# KiCad board panel.opm-inline.kicad_pcb (continued)
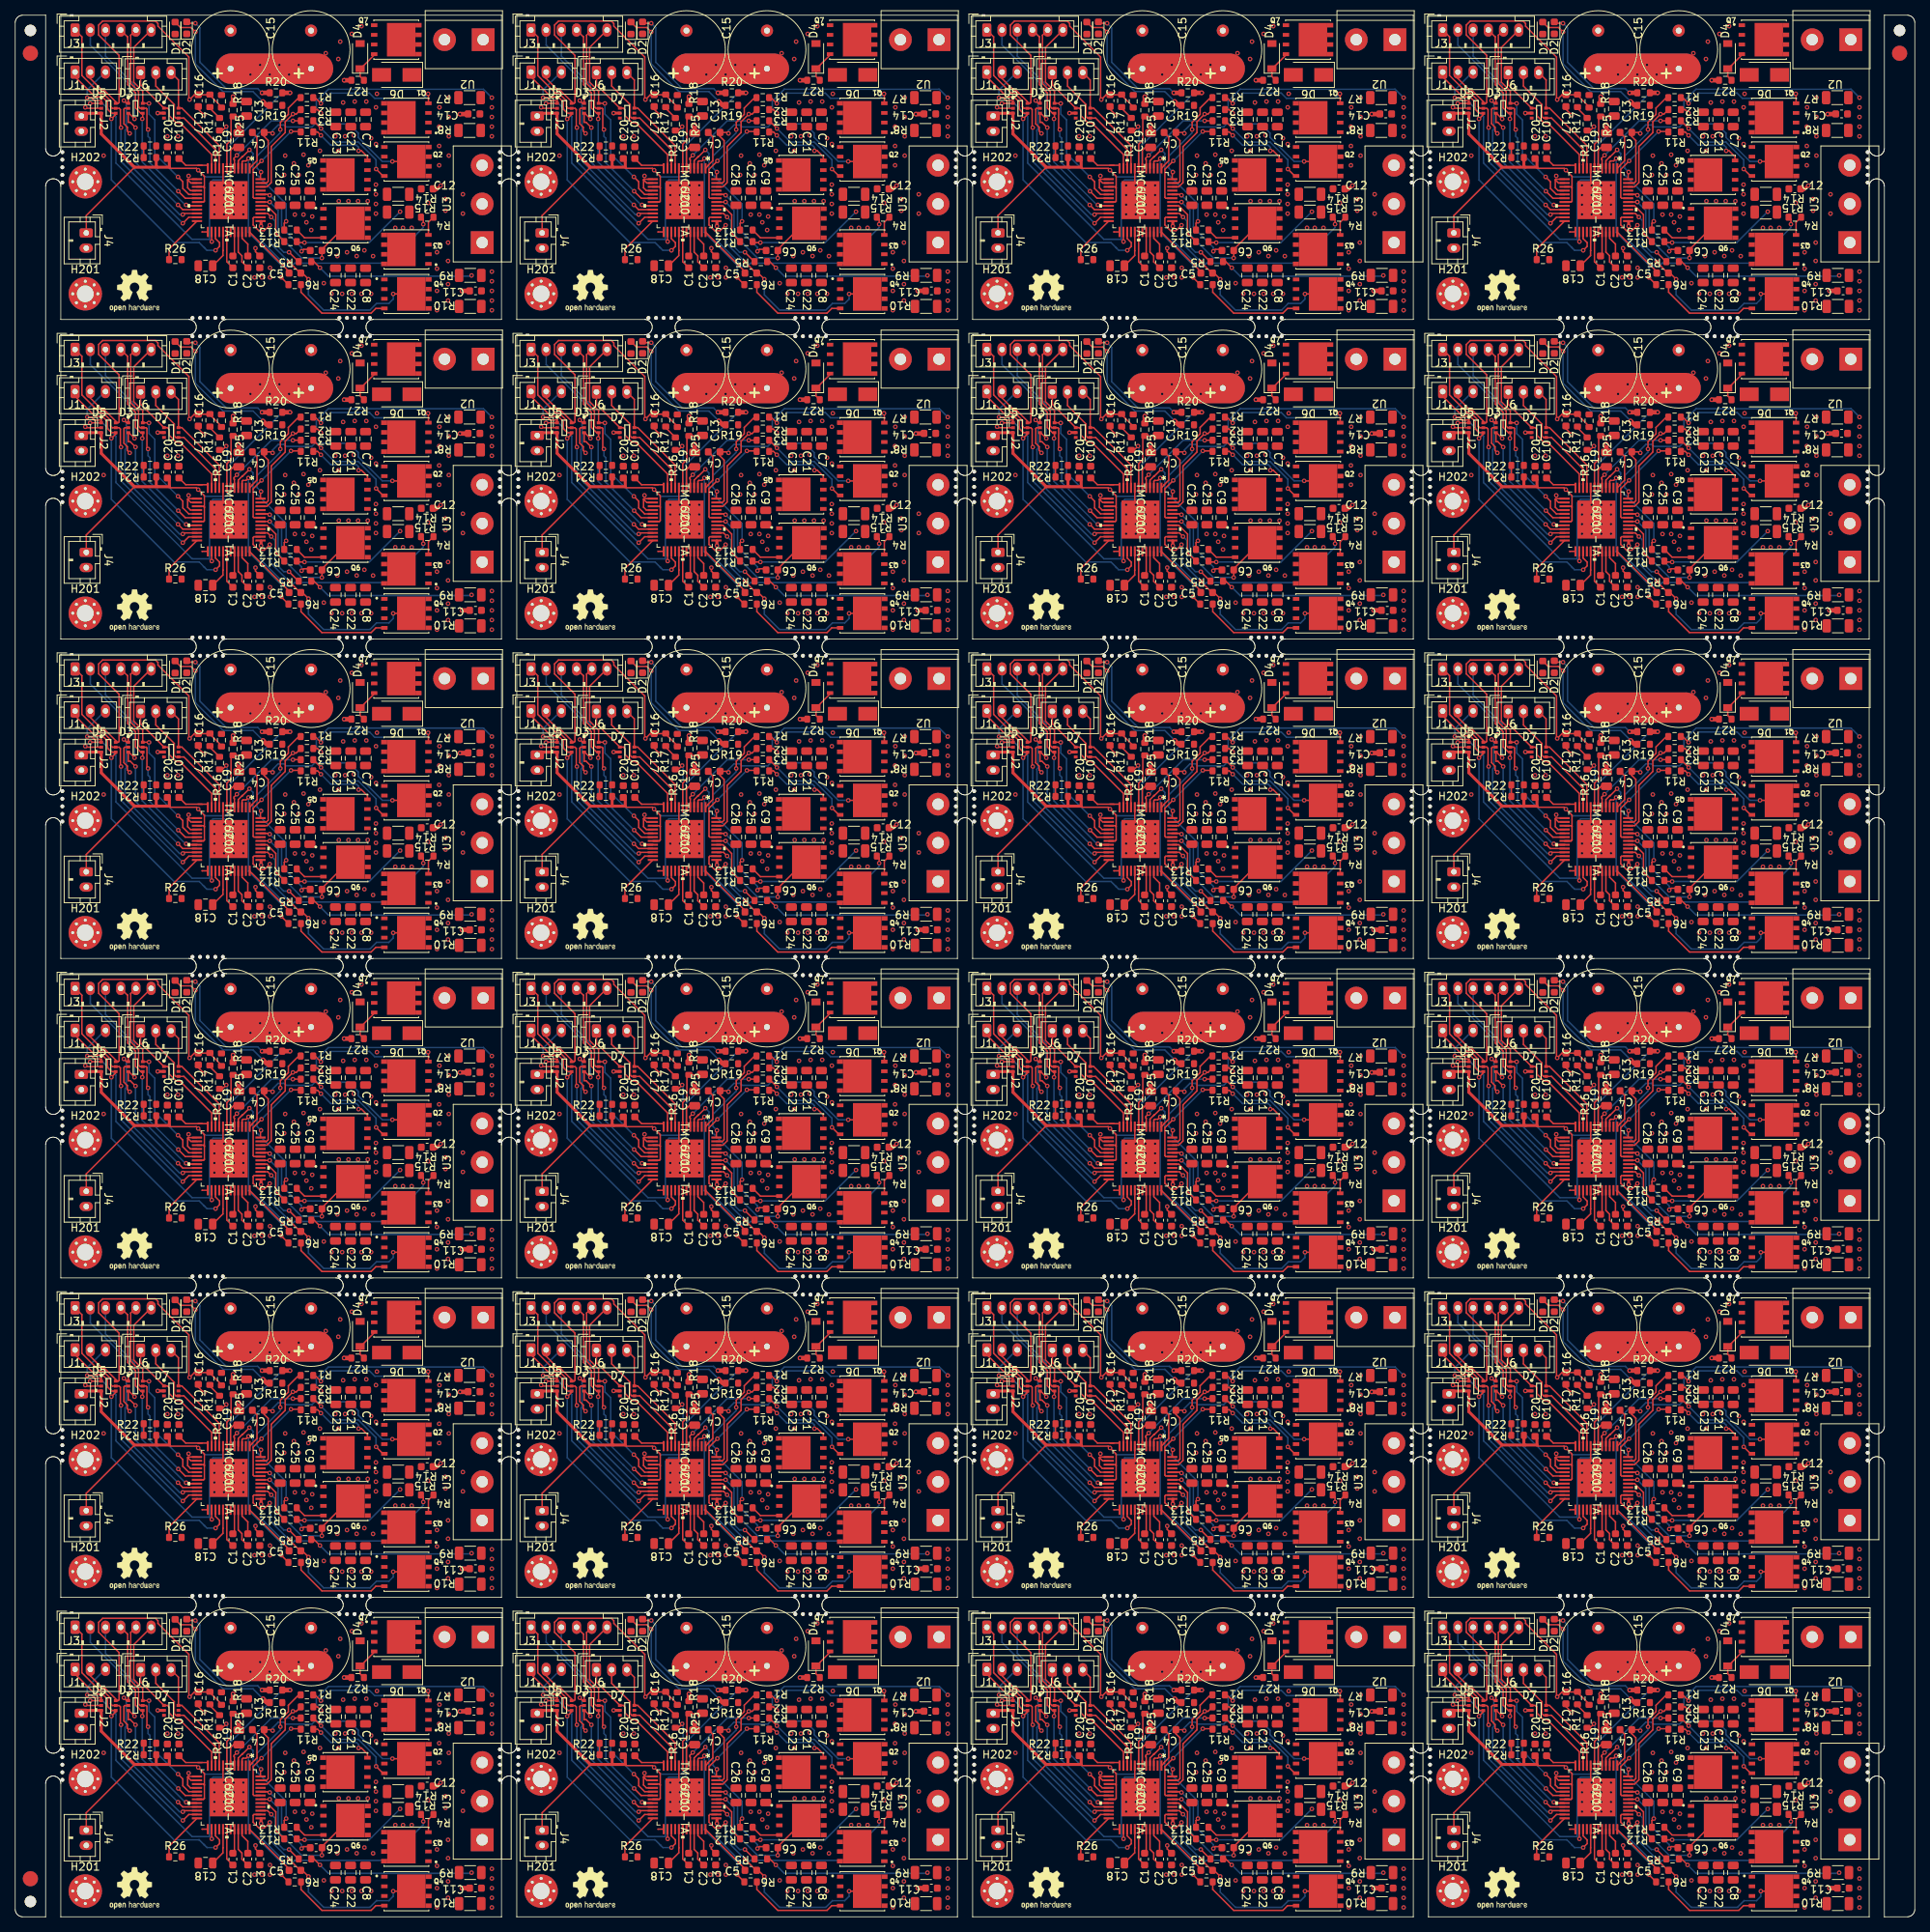
[diagram p0: board, top side]
## Routing (per net, layer and track width the routed paths; a pad name or vN(x,y) marks a point on that pad's centre or on a via; arc(x,y) is an arc through that point) (continued)
Board_13-Net-(IC1-Pad37): length 28.9
  Top w0.2: v1(113.62,96.51) 113.62,97.13 R4#19.2 ; 92.28,96.86 IC1#19.37
  Top w0.4: v1(92.28,96.25) 92.28,96.86
  Bottom w0.2: v1(113.62,96.51) 113.62,96.08 108.92,91.39 96.69,91.39 96.25,90.96 95.67,90.96 92.28,94.35 v1(92.28,96.25)
Board_13-Net-(IC1-Pad39): length 9.3
  Top w0.2: 97.23,91.79 97,91.79 v1(95.96,92.83) ; v1(93.62,97.45) 93.15,97.93 IC1#19.39
  Bottom w0.2: v1(93.62,97.45) 94.12,96.95 94.12,93.96 95.26,92.83 v1(95.96,92.83)
Board_13-Net-(IC1-Pad41): length 6.5
  Top w0.2: IC1#19.41 93.06,98.93 94.22,97.77 94.22,95.33 R12#15.2
Board_13-Net-(IC1-Pad43): length 13.1
  Top w0.2: IC1#19.43 91.36,99.93 91.24,100.05 91.24,103.72 v1(92.34,104.83) ; v1(96.22,108.7) 97.44,108.7 R11#14.2
  Bottom w0.2: v1(92.34,104.83) v1(96.22,108.7)
Board_13-Net-(IC1-Pad46): length 13.1
  Top w0.2: IC1#19.46 93.06,101.43 93.62,101.98 93.62,106.72 95.45,108.56 95.45,109.97 96.47,110.99 v1(96.47,110.99) 96.91,110.99 R2#20.2
Board_13-Net-(IC1-Pad48): length 13.8
  Top w0.2: R1#24.2 97.23,113.15 95.87,111.78 95.87,110.95 94.82,109.9 v1(94.82,108.95) ; v1(92.28,103.37) 92.21,103.3 IC1#19.48
  Bottom w0.2: v1(94.82,108.95) 94.82,108.53 91.74,105.45 91.74,103.9 v1(92.28,103.37) 92.28,103.62
Board_13-Net-(Q1-Pad4): length 17.8
  Top w0.2: Q1#14.4 114.29,113.61 v1(114.25,113.65) ; R1#24.1 99.39,113.15 v1(100.15,112.38)
  Bottom w0.2: v1(114.25,113.65) 113.65,113.05 107.23,113.05 106.54,113.75 101.52,113.75 v1(100.15,112.38)
Board_13-Net-(Q2-Pad4): length 13.2
  Top w0.2: v1(107.41,103.76) 108.32,102.85 Q2#8.4 ; 100.28,108.98 v1(100.16,109.09) R3#13.1
  Bottom w0.2: v1(107.41,103.76) 107.41,104.97 105.07,107.3 101.95,107.3 v1(100.16,109.09)
Board_13-Net-(Q3-Pad4): length 2.6
  Top w0.2: R4#19.1 114.29,96.77 Q3#19.4
Board_13-Net-(Q4-Pad4): length 13.5
  Top w0.2: Q4#8.4 107.37,85.44 106.76,84.82 100.28,84.82 97.53,87.57 R6#5.1 97.73,88.57
Board_13-Net-(Q5-Pad4): length 9.2
  Top w0.2: v1(100.15,108.19) 99.71,108.64 R11#14.1 ; Q5#10.4 106.27,105.38 105.49,106.16 v1(105.11,106.16)
  Bottom w0.2: v1(100.15,108.19) 101.45,106.9 104.83,106.9 105.11,106.61 v1(105.11,106.16)
Board_13-Net-(Q6-Pad4): length 3.9
  Top w0.2: R13#7.1 97.99,94.73 Q6#12.4
Board_13-Net-(R16-Pad2): length 2
  Top w0.2: R16#21.2 85.55,111.75 R17#5.1
Board_14-/+VM: length 61.7
  Top w0.2: IC1.33 149.23,92.84 149.72,92.36 149.72,91.56 C2#20.1
  Top w0.6: R25#21.2 v1(148.55,113.27)
  Top w4: 148.29,116.96 159.72,116.96
  In1.Cu w4: 148.55,116.96 158.35,116.96
  In2.Cu w4: 148.29,116.96 159.72,116.96 148.29,116.96
  Bottom w4: 148.29,116.96 159.72,116.96
  vias: v1(150.83,116.19) v1(151.36,89.52) v1(152.1,117.46) v1(152.33,89.52) v1(153.37,116.19) v1(153.4,90.79) v1(153.4,89.52) v1(154.64,117.46) v1(155.28,102.99) v1(155.4,105.53) v1(155.91,116.19) v1(156.55,104.51) v1(157.18,117.46) v1(157.18,102.99) v1(157.82,105.65) v1(158.45,104.26) v1(159.98,106.16) v1(160.74,118.99) v1(162.26,92.33) v1(162.39,118.23) v1(162.39,106.16) v1(162.64,120.51) v1(163.02,112.51) v1(163.53,92.83) v1(164.17,121.53) v1(164.55,112.64) v1(164.8,92.33) v1(165.44,122.54) v1(165.82,93.08) v1(166.07,112.64) v1(166.96,92.32) v1(167.34,111.88) v1(167.47,113.65) v1(169.88,96.04) v1(170.9,96.04) v1(172.04,96.04)
Board_14-/ADC_I_u: length 15.5
  Top w0.2: IC1.9 146.73,106.85 141.82,111.76 D7#14.6 141.37,115.47 J6#24.3
Board_14-/ADC_I_v: length 17.7
  Top w0.2: 146.17,104.34 146.23,104.28 IC1.10 146.23,106.32 142.08,110.46 D7#14.4 141.03,110.46 140.82,110.67 140.82,112.24 138.39,114.67 J6#24.2 138.89,115.94
Board_14-/ADC_I_w: length 17
  Top w0.2: IC1.11 145.73,105.67 141.56,109.84 141.08,109.84 140.16,110.76 140.16,111.52 139.92,111.76 D7#14.1 136.39,114.85 J6#24.1
Board_14-/Connectors/VOFS: length 1.8
  Top w0.2: R22#7.1 R21#6.2 ; 136.48,105.14 136.8,105.14
Board_14-/DRV_EN: length 38.5
  Top w0.2: v1(132.54,110.35) 133.11,110.92 D5#20.4 132.56,111.1 132.04,111.62 132.04,112.57 131.34,113.26 130.4,113.26 127.77,115.89 J1#2.1 ; v1(146.25,93.08) 146.77,93.6 146.77,94.09 146.23,94.62 IC1.27 146.23,95.08 146.25,95.06
  Bottom w0.2: 144.74,93.46 144.86,93.33 ; 144.74,93.46 144.1,94.1 140.78,94.1 132.54,102.33 v1(132.54,110.35) ; 144.74,93.46 145.12,93.08 v1(146.25,93.08)
Board_14-/FAULT: length 63.4
  Top w0.2: v1(129.75,112.38) 129.77,112.4 D5#20.1 131.21,112.71 ; 131.27,112.76 130.33,112.76 129.95,113.15 v1(129.37,113.15) ; v1(145.75,94.22) 145.73,94.24 IC1.26
  Top w0.6: R20#6.2 v1(156.04,113.78)
  Bottom w0.2: 133.05,110.73 132.83,110.95 ; 133.05,110.73 133.14,110.64 133.14,104.55 143.17,94.52 145.45,94.52 ; 133.05,110.73 131.4,112.38 v1(129.75,112.38) ; 145.45,94.52 v1(145.75,94.22) ; 145.45,94.52 145.45,101.86 145.92,102.33 147.95,102.33 148.18,102.57 148.18,106.94 R20#6.2 v1(156.04,113.78) ; J1#2.3 131.71,116.51 129.37,114.16 v1(129.37,113.15)
Board_14-/Motor Driver/VOFS: length 4.7
  Top w0.2: 143.94,104.26 145.21,104.26 ; C10#5.1 142.32,104.26 144.48,104.26
Board_14-/TEMP_PCB: length 42.5
  Top w0.2: 133.11,119.15 133.1,119.16 ; 133.1,119.16 133.56,118.7 133.56,112.51 133.45,112.4 D5#20.6 133.11,112.62 131.68,114.06 131.38,114.06 129.77,115.66 J1#2.2 ; 133.1,119.16 130.87,121.39 130.87,122.68 131.4,123.21 138.35,123.21 138.67,122.89 138.67,122.55 142.74,118.48 142.74,112.98 v1(142.83,112.89) 143.47,113.53 C17#23.1 145.47,113.53 R17#13.2 145.5,113.46 147.02,111.94
Board_14-/U: length 27.2
  Top w0.2: R2#8.1 159.64,111.58 v1(160.1,111.11)
  Bottom w0.2: v1(182.58,113.15) 181.47,114.25 161.09,114.25 159.5,112.67 159.5,111.71 v1(160.1,111.11)
  vias: v1(182.58,111.88) v1(182.58,110.61) v1(182.58,109.34) v1(182.58,108.07)
Board_14-/UH: length 27.5
  Top w0.2: v1(141.31,102.73) 141.94,102.1 141.94,101.21 142.72,100.43 IC1.17 ; 137.77,121.68 J3#20.6 135.49,119.75 135.49,115.18 136.67,114 D3#18.6 137.48,112.4 v1(137.5,112.38)
  Bottom w0.2: v1(137.5,112.38) 137.5,110.99 138.26,110.23 138.26,105.78 v1(141.31,102.73)
Board_14-/UL: length 27.4
  Top w0.2: v1(137.37,108.95) 137.22,109.11 137.22,111.65 137.12,111.75 D3#18.5 136.33,111.75 136.12,111.96 136.12,113.96 135.97,114.1 135.97,114.13 135.09,115.01 135.09,121.35 J3#20.5 ; IC1.18 142.26,99.93 v1(141.34,100.85)
  Bottom w0.2: v1(137.37,108.95) 137.37,108.07 137.62,107.81 137.62,104.56 v1(141.34,100.85)
Board_14-/V: length 15.3
  Top w0.2: R12.1 157.05,94.1 v1(157.94,94.1)
  Bottom w0.2: v1(170.52,98.16) 166.45,94.1 v1(157.94,94.1)
  vias: v1(174.2,99.3) v1(176.49,99.81) v1(176.49,98.29) v1(178.77,100.45) v1(178.77,97.91)
Board_14-/VH: length 30.4
  Top w0.2: v1(142.38,99.05) 142.5,98.93 IC1.20 142.93,98.93 ; D3#18.4 136.41,111.1 135.72,111.79 135.72,113.78 135.32,114.18 135.32,114.22 134.69,114.85 134.69,121.15 134.66,121.15 J3#20.4 ; D3#18.4 136.47,111.1 ; D3#18.4 136.67,110.29
  Bottom w0.2: 136.61,110.22 136.61,104.69 142.38,98.93 142.19,98.93 142.19,99.04 ; 134.32,121.49 J3#20.4
  vias: v1(136.61,110.35)
Board_14-/VL: length 32.1
  Top w0.2: IC1.21 141.93,98.43 v1(141.31,99.05) ; v1(135.59,110.35) 134.85,111.1 D3#18.3 ; 134.83,111.04 D3#18.3 ; D3#18.3 134.77,109.9 135.02,109.9 v1(135.72,109.21)
  Bottom w0.2: v1(135.59,110.35) 135.59,114.8 131.77,118.62 J3#20.3 ; v1(141.31,99.05) 135.72,104.64 v1(135.72,109.21)
Board_14-/VSA: length 5
  Top w0.2: C18#11.1 147.22,92.4 147.22,93.04 147.23,93.05 IC1.29
Board_14-/W: length 21.9
  Top w0.2: 158.86,91.81 158.83,91.79 ; R5#5.1 159.18,91.59 v1(159.98,90.79)
  Bottom w0.2: v1(159.98,90.79) 161.08,89.69 179.82,89.69 v1(179.92,89.78)
  vias: v1(182.58,90.29) v1(182.58,89.02) v1(182.58,87.75) v1(182.58,86.48) v1(182.58,85.21)
Board_14-/WH: length 33.7
  Top w0.2: v1(134.2,112.76) 134.56,112.4 D3#18.1 ; IC1.22 142.09,97.93 v1(141.94,97.78) ; D3#18.1 134.7,112.46 ; D3#18.1 134.77,113.21 v1(134.96,113.4)
  Bottom w0.2: 134.81,104.49 141.52,97.78 v1(141.94,97.78) ; 134.81,104.49 134.36,104.94 134.36,108.86 134.5,109 134.5,112.46 v1(134.2,112.76) ; 134.81,104.49 134.7,104.59 ; 133.41,116.41 133.21,116.61 ; 133.21,116.61 129.77,120.05 J3#20.2 ; 133.21,116.61 134.61,115.21 ; 134.7,115.12 134.61,115.21 ; 134.61,115.21 134.96,114.87 v1(134.96,113.4)
Board_14-/WL: length 34.8
  Top w0.2: IC1.23 142.73,97.43 v1(141.94,96.64) ; v1(133.81,109.21) 133.73,109.29 133.73,111.58 133.56,111.75 D5#20.5 132.66,111.75 132.44,111.98 132.44,112.73 131.51,113.66 131.07,113.66 128.67,116.06 128.67,121.14 J3#20.1 127.79,122.04
  Bottom w0.2: v1(141.94,96.64) 133.81,104.76 v1(133.81,109.21) ; 127.77,121.49 J3#20.1
Board_14-GND: length 31.2
  Top w0.2: 179.44,110.99 C14#5.2 ; C17#23.2 143.97,111.62 v1(144.74,110.86) ; D5#20.2 129.24,111.75 v1(129.12,111.88) ; 144.48,95.49 144.49,95.5 IC1.25 145.23,95.39 ; 149.73,101.43 IC1.EPAD ; IC1.EPAD 147.23,100.43 IC1.8 ; IC1.EPAD 145.73,97.43 ; v1(134.96,108.45) 134.66,108.75 134.66,109.25 134.2,109.72 134.2,111.62 134.32,111.75 D3#18.2 ; C3#14.2 151.49,92.9 v1(151.49,93.36) ; IC1.13 142.65,102.43 142.58,102.35 ; IC1.14 143,101.93 142.58,102.35 ; 142.58,102.35 142.58,101.3 142.95,100.93 IC1.16
  Top w0.4: 174.85,101.08 175.34,101.08 v1(175.85,101.59) ; D7#14.2 v1(138.64,111.11)
  Top w0.6: v1(163.15,115.43) R27#10.2 ; v1(178.65,87.75) C11#2.2 ; v1(178.39,110.99) 179.44,110.99 ; C19#12.2 v1(149.31,109.59)
  vias: v1(131.53,105.53) v1(139.91,108.07) v1(141.31,108.07) v1(142.7,102.86) v1(146.09,101.62) v1(146.09,100.35) v1(146.09,99.08) v1(146.09,97.81) v1(147.36,101.62) v1(147.36,100.35) v1(147.36,99.08) v1(147.36,97.81) v1(148.63,101.62) v1(148.63,100.35) v1(148.63,99.08) v1(148.63,97.81) v1(149.9,101.62) v1(149.9,100.35) v1(149.9,99.08) v1(149.9,97.81) v1(156.67,97.78) v1(157.82,97.78) v1(158.2,96.76) v1(158.83,95.75) v1(158.96,97.52) v1(160.48,88.76) v1(161.5,87.36) v1(162.01,108.07) v1(162.9,87.36) v1(163.28,108.07) v1(164.17,87.36) v1(164.42,108.19) v1(165.44,87.36) v1(166.71,107.81) v1(166.71,87.36) v1(167.34,107.05)
Board_14-Net-(C1-Pad1): length 5
  Top w0.2: IC1.30 147.73,91.58 C1#5.1
Board_14-Net-(C1-Pad2): length 3.2
  Top w0.2: C1#5.2 148.73,92.55 IC1.32
Board_14-Net-(C2-Pad2): length 3.5
  Top w0.2: IC1.34 149.73,94.66 150.49,93.9 C2#20.2
Board_14-Net-(C4-Pad1): length 31
  Top w0.2: C4#5.1 152.64,108.1 ; C4#5.1 153.63,108.57 v1(153.75,108.45) ; C4#5.1 152.64,108.04 153.17,107.5 153.17,102.15 152.95,101.93 IC1.47 ; v1(169.5,104.76) 169.51,104.76 Q2.5
  Bottom w0.2: v1(153.75,108.45) 153.75,108.83 154.48,109.55 155.24,109.55 155.5,109.3 158.93,109.3 159.32,109.69 163.81,109.69 165.02,108.48 165.02,107.92 168.18,104.76 v1(169.5,104.76)
  vias: v1(175.69,111.88) v1(175.65,109.34) v1(175.65,106.8) v1(175.65,104.26) v1(176.92,113.15) v1(176.92,110.61) v1(176.92,108.07) v1(176.92,105.53)
Board_14-Net-(C4-Pad2): length 5.4
  Top w0.2: C4#5.2 151.69,107.97 151.69,104.86 151.09,104.26 151.09,104.21 IC1.1
Board_14-Net-(C5-Pad1): length 7.4
  Top w0.2: IC1.36 150.73,95.47 155.91,90.29
Board_14-Net-(C5-Pad2): length 31.7
  Top w0.2: v1(169.61,87.35) Q4#18.5 ; v1(158.47,89.28) 157.66,90.09 C5#9.2 ; v1(153.37,96.38) 152.65,95.65 151.94,95.65 151.19,96.41 151.19,97.31 151.31,97.43 IC1.38 ; 157.46,90.29 157.18,90.29 v1(155.91,91.56)
  Bottom w0.2: v1(153.37,96.38) 153.47,96.28 153.47,94 v1(155.91,91.56) ; v1(169.61,87.35) 169.61,86.66 169.04,86.09 167.41,86.09 166.54,85.23 160.46,85.23 158.47,87.22 v1(158.47,89.28)
  vias: v1(175.36,92.83) v1(175.36,90.67) v1(175.36,87.75) v1(175.36,85.21) v1(176.82,94.1) v1(176.82,91.68) v1(176.82,88.63) v1(176.82,86.48)
Board_14-Net-(C6-Pad1): length 19.3
  Top w0.2: v1(153.37,99.43) 153.37,99.43 IC1.42 ; Q6#7.5 163.67,96.64 160.24,93.21 160.24,92.08 v1(160.23,92.06)
  Bottom w0.2: v1(153.37,99.43) 154.47,98.33 154.47,95.16 157.56,92.06 v1(160.23,92.06)
  vias: v1(162.45,99.55) v1(163.72,99.55) v1(164.99,99.55) v1(166.26,99.55) v1(167.33,101.72) v1(167.33,100.45) v1(167.33,99.18) v1(167.33,97.91)
Board_14-Net-(C6-Pad2): length 12.4
  Top w0.2: v1(157.56,92.95) 157.82,93.21 158.69,93.21 ; v1(153.37,100.32) 153.27,100.43 IC1.44 153.01,100.43
  Bottom w0.2: v1(157.56,92.95) 157.56,93.46 154.93,96.09 154.93,98.76 v1(153.37,100.32)
Board_14-Net-(D1-Pad2): length 19.4
  Top w0.2: R19#18.1 152.99,112.13 ; D1#15.2 141.64,122.37 143.01,122.37 v1(143.59,121.78)
  Top w0.6: 152.99,112.13 v1(152.48,112.64)
  Bottom w0.2: v1(143.59,121.78) 143.59,117.59 147.24,113.94 151.18,113.94 v1(152.48,112.64)
Board_14-Net-(D2-Pad2): length 17.4
  Top w0.2: v1(143.59,122.92) 142.63,122.92 D2#8.2
  Top w0.6: R20#6.1 v1(152.36,113.78)
  Bottom w0.2: v1(143.59,122.92) 144.19,122.32 144.19,117.8 147.65,114.34 151.79,114.34 v1(152.36,113.78)
Board_14-Net-(D4-Pad1): length 4.4
  Top w0.2: 165.31,116.96 167.11,118.76 Q7#4.4 ; D4#11.1 165.26,115.93 R27#10.1
Board_14-Net-(IC1-Pad3): length 20.6
  Top w0.2: v1(150.58,105.14) 150.26,104.83 149.85,104.83 149.73,104.71 IC1.3 ; v1(154.9,89.52) 154.9,89.5 R6.2
  Bottom w0.2: v1(150.58,105.14) 150.58,95.44 154.9,91.12 v1(154.9,89.52)
Board_14-Net-(IC1-Pad4): length 16.7
  Top w0.2: 149.73,105.36 149.82,105.44 ; 149.73,105.36 149.23,104.86 IC1.4 149.23,104.67 ; 149.73,105.36 149.77,105.36 v1(150.71,106.29) ; v1(155.53,96.89) 155.28,96.64 R13#12.2
  Bottom w0.2: v1(155.53,96.89) 155.53,99.18 151.18,103.53 151.18,105.81 v1(150.71,106.29)
Board_14-Net-(IC1-Pad5): length 12.2
  Top w0.2: v1(149.05,105.57) 148.67,105.19 148.67,105.02 148.73,104.96 IC1.5 ; R3#20.2 156.43,110.11 v1(156.42,110.1)
  Bottom w0.2: v1(149.05,105.57) 153.58,110.1 v1(156.42,110.1)
Board_14-Net-(IC1-Pad24): length 6.6
  Top w0.2: R26#17.1 140.13,93.25 IC1.24
Board_14-Net-(IC1-Pad37): length 28.9
  Top w0.2: v1(173.57,96.51) 173.57,97.13 R4#13.2 ; 152.23,96.86 IC1.37
  Top w0.4: v1(152.23,96.25) 152.23,96.86
  Bottom w0.2: v1(173.57,96.51) 173.57,96.08 168.87,91.39 156.64,91.39 156.2,90.96 155.62,90.96 152.23,94.35 v1(152.23,96.25)
Board_14-Net-(IC1-Pad39): length 9.3
  Top w0.2: 157.18,91.79 156.95,91.79 v1(155.91,92.83) ; v1(153.57,97.45) 153.1,97.93 IC1.39
  Bottom w0.2: v1(153.57,97.45) 154.07,96.95 154.07,93.96 155.21,92.83 v1(155.91,92.83)
Board_14-Net-(IC1-Pad41): length 6.5
  Top w0.2: IC1.41 153.01,98.93 154.17,97.77 154.17,95.33 R12.2
Board_14-Net-(IC1-Pad43): length 13.1
  Top w0.2: IC1.43 151.31,99.93 151.19,100.05 151.19,103.72 v1(152.29,104.83) ; v1(156.17,108.7) 157.39,108.7 R11.2
  Bottom w0.2: v1(152.29,104.83) v1(156.17,108.7)
Board_14-Net-(IC1-Pad46): length 13.1
  Top w0.2: IC1.46 153.01,101.43 153.57,101.98 153.57,106.72 155.4,108.56 155.4,109.97 156.42,110.99 v1(156.42,110.99) 156.86,110.99 R2#8.2
Board_14-Net-(IC1-Pad48): length 13.8
  Top w0.2: R1#6.2 157.18,113.15 155.82,111.78 155.82,110.95 154.77,109.9 v1(154.77,108.95) ; v1(152.23,103.37) 152.16,103.3 IC1.48
  Bottom w0.2: v1(154.77,108.95) 154.77,108.53 151.69,105.45 151.69,103.9 v1(152.23,103.37) 152.23,103.62
Board_14-Net-(Q1-Pad4): length 17.8
  Top w0.2: Q1#15.4 174.24,113.61 v1(174.2,113.65) ; R1#6.1 159.34,113.15 v1(160.1,112.38)
  Bottom w0.2: v1(174.2,113.65) 173.6,113.05 167.18,113.05 166.49,113.75 161.47,113.75 v1(160.1,112.38)
Board_14-Net-(Q2-Pad4): length 13.2
  Top w0.2: v1(167.36,103.76) 168.27,102.85 Q2.4 ; 160.23,108.98 v1(160.11,109.09) R3#20.1
  Bottom w0.2: v1(167.36,103.76) 167.36,104.97 165.02,107.3 161.9,107.3 v1(160.11,109.09)
Board_14-Net-(Q3-Pad4): length 2.6
  Top w0.2: R4#13.1 174.24,96.77 Q3#18.4
Board_14-Net-(Q4-Pad4): length 13.5
  Top w0.2: Q4#18.4 167.32,85.44 166.71,84.82 160.23,84.82 157.48,87.57 R6.1 157.68,88.57
Board_14-Net-(Q5-Pad4): length 9.2
  Top w0.2: v1(160.1,108.19) 159.66,108.64 R11.1 ; Q5#20.4 166.22,105.38 165.44,106.16 v1(165.06,106.16)
  Bottom w0.2: v1(160.1,108.19) 161.4,106.9 164.78,106.9 165.06,106.61 v1(165.06,106.16)
Board_14-Net-(Q6-Pad4): length 3.9
  Top w0.2: R13#12.1 157.94,94.73 Q6#7.4
Board_14-Net-(R16-Pad2): length 2
  Top w0.2: R16#9.2 145.5,111.75 R17#13.1
Board_15-/+VM: length 61.7
  Top w0.2: IC1#9.33 209.18,92.84 209.67,92.36 209.67,91.56 C2#11.1
  Top w0.6: R25#9.2 v1(208.5,113.27)
  Top w4: 208.24,116.96 219.67,116.96
  In1.Cu w4: 208.5,116.96 218.3,116.96
  In2.Cu w4: 208.24,116.96 219.67,116.96 208.24,116.96
  Bottom w4: 208.24,116.96 219.67,116.96
  vias: v1(210.78,116.19) v1(211.31,89.52) v1(212.05,117.46) v1(212.28,89.52) v1(213.32,116.19) v1(213.35,90.79) v1(213.35,89.52) v1(214.59,117.46) v1(215.23,102.99) v1(215.35,105.53) v1(215.86,116.19) v1(216.5,104.51) v1(217.13,117.46) v1(217.13,102.99) v1(217.77,105.65) v1(218.4,104.26) v1(219.93,106.16) v1(220.69,118.99) v1(222.21,92.33) v1(222.34,118.23) v1(222.34,106.16) v1(222.59,120.51) v1(222.97,112.51) v1(223.48,92.83) v1(224.12,121.53) v1(224.5,112.64) v1(224.75,92.33) v1(225.39,122.54) v1(225.77,93.08) v1(226.02,112.64) v1(226.91,92.32) v1(227.29,111.88) v1(227.42,113.65) v1(229.83,96.04) v1(230.85,96.04) v1(231.99,96.04)
Board_15-/ADC_I_u: length 15.5
  Top w0.2: IC1#9.9 206.68,106.85 201.77,111.76 D7#5.6 201.32,115.47 J6#18.3
Board_15-/ADC_I_v: length 17.7
  Top w0.2: 206.12,104.34 206.18,104.28 IC1#9.10 206.18,106.32 202.03,110.46 D7#5.4 200.98,110.46 200.77,110.67 200.77,112.24 198.34,114.67 J6#18.2 198.84,115.94
Board_15-/ADC_I_w: length 17
  Top w0.2: IC1#9.11 205.68,105.67 201.51,109.84 201.03,109.84 200.11,110.76 200.11,111.52 199.87,111.76 D7#5.1 196.34,114.85 J6#18.1
Board_15-/Connectors/VOFS: length 1.8
  Top w0.2: R22#20.1 R21#8.2 ; 196.43,105.14 196.75,105.14
Board_15-/DRV_EN: length 38.5
  Top w0.2: v1(192.49,110.35) 193.06,110.92 D5#4.4 192.51,111.1 191.99,111.62 191.99,112.57 191.29,113.26 190.35,113.26 187.72,115.89 J1#22.1 ; v1(206.2,93.08) 206.72,93.6 206.72,94.09 206.18,94.62 IC1#9.27 206.18,95.08 206.2,95.06
  Bottom w0.2: 204.69,93.46 204.81,93.33 ; 204.69,93.46 204.05,94.1 200.73,94.1 192.49,102.33 v1(192.49,110.35) ; 204.69,93.46 205.07,93.08 v1(206.2,93.08)
Board_15-/FAULT: length 63.4
  Top w0.2: v1(189.7,112.38) 189.72,112.4 D5#4.1 191.16,112.71 ; 191.22,112.76 190.28,112.76 189.9,113.15 v1(189.32,113.15) ; v1(205.7,94.22) 205.68,94.24 IC1#9.26
  Top w0.6: R20#24.2 v1(215.99,113.78)
  Bottom w0.2: 193,110.73 192.78,110.95 ; 193,110.73 193.09,110.64 193.09,104.55 203.12,94.52 205.4,94.52 ; 193,110.73 191.35,112.38 v1(189.7,112.38) ; 205.4,94.52 v1(205.7,94.22) ; 205.4,94.52 205.4,101.86 205.87,102.33 207.9,102.33 208.13,102.57 208.13,106.94 R20#24.2 v1(215.99,113.78) ; J1#22.3 191.66,116.51 189.32,114.16 v1(189.32,113.15)
Board_15-/Motor Driver/VOFS: length 4.7
  Top w0.2: 203.89,104.26 205.16,104.26 ; C10#16.1 202.27,104.26 204.43,104.26
Board_15-/TEMP_PCB: length 42.5
  Top w0.2: 193.06,119.15 193.05,119.16 ; 193.05,119.16 193.51,118.7 193.51,112.51 193.4,112.4 D5#4.6 193.06,112.62 191.63,114.06 191.33,114.06 189.72,115.66 J1#22.2 ; 193.05,119.16 190.82,121.39 190.82,122.68 191.35,123.21 198.3,123.21 198.62,122.89 198.62,122.55 202.69,118.48 202.69,112.98 v1(202.78,112.89) 203.42,113.53 C17#14.1 205.42,113.53 R17#21.2 205.45,113.46 206.97,111.94
Board_15-/U: length 27.2
  Top w0.2: R2#11.1 219.59,111.58 v1(220.05,111.11)
  Bottom w0.2: v1(242.53,113.15) 241.42,114.25 221.04,114.25 219.45,112.67 219.45,111.71 v1(220.05,111.11)
  vias: v1(242.53,111.88) v1(242.53,110.61) v1(242.53,109.34) v1(242.53,108.07)
Board_15-/UH: length 27.5
  Top w0.2: v1(201.26,102.73) 201.89,102.1 201.89,101.21 202.67,100.43 IC1#9.17 ; 197.72,121.68 J3#3.6 195.44,119.75 195.44,115.18 196.62,114 D3#10.6 197.43,112.4 v1(197.45,112.38)
  Bottom w0.2: v1(197.45,112.38) 197.45,110.99 198.21,110.23 198.21,105.78 v1(201.26,102.73)
Board_15-/UL: length 27.4
  Top w0.2: v1(197.32,108.95) 197.17,109.11 197.17,111.65 197.07,111.75 D3#10.5 196.28,111.75 196.07,111.96 196.07,113.96 195.92,114.1 195.92,114.13 195.04,115.01 195.04,121.35 J3#3.5 ; IC1#9.18 202.21,99.93 v1(201.29,100.85)
  Bottom w0.2: v1(197.32,108.95) 197.32,108.07 197.57,107.81 197.57,104.56 v1(201.29,100.85)
Board_15-/V: length 15.3
  Top w0.2: R12#16.1 217,94.1 v1(217.89,94.1)
  Bottom w0.2: v1(230.47,98.16) 226.4,94.1 v1(217.89,94.1)
  vias: v1(234.15,99.3) v1(236.44,99.81) v1(236.44,98.29) v1(238.72,100.45) v1(238.72,97.91)
Board_15-/VH: length 30.4
  Top w0.2: v1(202.33,99.05) 202.45,98.93 IC1#9.20 202.88,98.93 ; D3#10.4 196.36,111.1 195.67,111.79 195.67,113.78 195.27,114.18 195.27,114.22 194.64,114.85 194.64,121.15 194.61,121.15 J3#3.4 ; D3#10.4 196.42,111.1 ; D3#10.4 196.62,110.29
  Bottom w0.2: 196.56,110.22 196.56,104.69 202.33,98.93 202.14,98.93 202.14,99.04 ; 194.27,121.49 J3#3.4
  vias: v1(196.56,110.35)
Board_15-/VL: length 32.1
  Top w0.2: IC1#9.21 201.88,98.43 v1(201.26,99.05) ; v1(195.54,110.35) 194.8,111.1 D3#10.3 ; 194.78,111.04 D3#10.3 ; D3#10.3 194.72,109.9 194.97,109.9 v1(195.67,109.21)
  Bottom w0.2: v1(195.54,110.35) 195.54,114.8 191.72,118.62 J3#3.3 ; v1(201.26,99.05) 195.67,104.64 v1(195.67,109.21)
Board_15-/VSA: length 5
  Top w0.2: C18#7.1 207.17,92.4 207.17,93.04 207.18,93.05 IC1#9.29
Board_15-/W: length 21.9
  Top w0.2: 218.81,91.81 218.78,91.79 ; R5#20.1 219.13,91.59 v1(219.93,90.79)
  Bottom w0.2: v1(219.93,90.79) 221.03,89.69 239.77,89.69 v1(239.87,89.78)
  vias: v1(242.53,90.29) v1(242.53,89.02) v1(242.53,87.75) v1(242.53,86.48) v1(242.53,85.21)
Board_15-/WH: length 33.7
  Top w0.2: v1(194.15,112.76) 194.51,112.4 D3#10.1 ; IC1#9.22 202.04,97.93 v1(201.89,97.78) ; D3#10.1 194.65,112.46 ; D3#10.1 194.72,113.21 v1(194.91,113.4)
  Bottom w0.2: 194.76,104.49 201.47,97.78 v1(201.89,97.78) ; 194.76,104.49 194.31,104.94 194.31,108.86 194.45,109 194.45,112.46 v1(194.15,112.76) ; 194.76,104.49 194.65,104.59 ; 193.36,116.41 193.16,116.61 ; 193.16,116.61 189.72,120.05 J3#3.2 ; 193.16,116.61 194.56,115.21 ; 194.65,115.12 194.56,115.21 ; 194.56,115.21 194.91,114.87 v1(194.91,113.4)
Board_15-/WL: length 34.8
  Top w0.2: IC1#9.23 202.68,97.43 v1(201.89,96.64) ; v1(193.76,109.21) 193.68,109.29 193.68,111.58 193.51,111.75 D5#4.5 192.61,111.75 192.39,111.98 192.39,112.73 191.46,113.66 191.02,113.66 188.62,116.06 188.62,121.14 J3#3.1 187.74,122.04
  Bottom w0.2: v1(201.89,96.64) 193.76,104.76 v1(193.76,109.21) ; 187.72,121.49 J3#3.1
Board_15-GND: length 31.2
  Top w0.2: 239.39,110.99 C14#14.2 ; C17#14.2 203.92,111.62 v1(204.69,110.86) ; D5#4.2 189.19,111.75 v1(189.07,111.88) ; 204.43,95.49 204.44,95.5 IC1#9.25 205.18,95.39 ; 209.68,101.43 IC1#9.EPAD ; IC1#9.EPAD 207.18,100.43 IC1#9.8 ; IC1#9.EPAD 205.68,97.43 ; v1(194.91,108.45) 194.61,108.75 194.61,109.25 194.15,109.72 194.15,111.62 194.27,111.75 D3#10.2 ; C3#9.2 211.44,92.9 v1(211.44,93.36) ; IC1#9.13 202.6,102.43 202.53,102.35 ; IC1#9.14 202.95,101.93 202.53,102.35 ; 202.53,102.35 202.53,101.3 202.9,100.93 IC1#9.16
  Top w0.4: 234.8,101.08 235.29,101.08 v1(235.8,101.59) ; D7#5.2 v1(198.59,111.11)
  Top w0.6: v1(223.1,115.43) R27#21.2 ; v1(238.6,87.75) C11#12.2 ; v1(238.34,110.99) 239.39,110.99 ; C19#17.2 v1(209.26,109.59)
  vias: v1(191.48,105.53) v1(199.86,108.07) v1(201.26,108.07) v1(202.65,102.86) v1(206.04,101.62) v1(206.04,100.35) v1(206.04,99.08) v1(206.04,97.81) v1(207.31,101.62) v1(207.31,100.35) v1(207.31,99.08) v1(207.31,97.81) v1(208.58,101.62) v1(208.58,100.35) v1(208.58,99.08) v1(208.58,97.81) v1(209.85,101.62) v1(209.85,100.35) v1(209.85,99.08) v1(209.85,97.81) v1(216.62,97.78) v1(217.77,97.78) v1(218.15,96.76) v1(218.78,95.75) v1(218.91,97.52) v1(220.43,88.76) v1(221.45,87.36) v1(221.96,108.07) v1(222.85,87.36) v1(223.23,108.07) v1(224.12,87.36) v1(224.37,108.19) v1(225.39,87.36) v1(226.66,107.81) v1(226.66,87.36) v1(227.29,107.05)
Board_15-Net-(C1-Pad1): length 5
  Top w0.2: IC1#9.30 207.68,91.58 C1#17.1
Board_15-Net-(C1-Pad2): length 3.2
  Top w0.2: C1#17.2 208.68,92.55 IC1#9.32
Board_15-Net-(C2-Pad2): length 3.5
  Top w0.2: IC1#9.34 209.68,94.66 210.44,93.9 C2#11.2
Board_15-Net-(C4-Pad1): length 31
  Top w0.2: C4#9.1 212.59,108.1 ; C4#9.1 213.58,108.57 v1(213.7,108.45) ; C4#9.1 212.59,108.04 213.12,107.5 213.12,102.15 212.9,101.93 IC1#9.47 ; v1(229.45,104.76) 229.46,104.76 Q2#16.5
  Bottom w0.2: v1(213.7,108.45) 213.7,108.83 214.43,109.55 215.19,109.55 215.45,109.3 218.88,109.3 219.27,109.69 223.76,109.69 224.97,108.48 224.97,107.92 228.13,104.76 v1(229.45,104.76)
  vias: v1(235.6,109.34) v1(235.6,106.8) v1(235.6,104.26) v1(235.64,111.88) v1(236.87,113.15) v1(236.87,110.61) v1(236.87,108.07) v1(236.87,105.53)
Board_15-Net-(C4-Pad2): length 5.4
  Top w0.2: C4#9.2 211.64,107.97 211.64,104.86 211.04,104.26 211.04,104.21 IC1#9.1
Board_15-Net-(C5-Pad1): length 7.4
  Top w0.2: IC1#9.36 210.68,95.47 215.86,90.29
Board_15-Net-(C5-Pad2): length 31.7
  Top w0.2: v1(229.56,87.35) Q4#12.5 ; v1(218.42,89.28) 217.61,90.09 C5#7.2 ; v1(213.32,96.38) 212.6,95.65 211.89,95.65 211.14,96.41 211.14,97.31 211.26,97.43 IC1#9.38 ; 217.41,90.29 217.13,90.29 v1(215.86,91.56)
  Bottom w0.2: v1(213.32,96.38) 213.42,96.28 213.42,94 v1(215.86,91.56) ; v1(229.56,87.35) 229.56,86.66 228.99,86.09 227.36,86.09 226.49,85.23 220.41,85.23 218.42,87.22 v1(218.42,89.28)
  vias: v1(235.31,92.83) v1(235.31,90.67) v1(235.31,87.75) v1(235.31,85.21) v1(236.77,94.1) v1(236.77,91.68) v1(236.77,88.63) v1(236.77,86.48)
Board_15-Net-(C6-Pad1): length 19.3
  Top w0.2: v1(213.32,99.43) 213.32,99.43 IC1#9.42 ; Q6#10.5 223.62,96.64 220.19,93.21 220.19,92.08 v1(220.18,92.06)
  Bottom w0.2: v1(213.32,99.43) 214.42,98.33 214.42,95.16 217.51,92.06 v1(220.18,92.06)
  vias: v1(222.4,99.55) v1(223.67,99.55) v1(224.94,99.55) v1(226.21,99.55) v1(227.28,101.72) v1(227.28,100.45) v1(227.28,99.18) v1(227.28,97.91)
